# Altium PCB CM_PCB.PcbDoc (part 4 of 7)
Units mil, origin at the board's own origin, x right, y up, seen from the top; angles counter-clockwise.
Board outline 6478 x 5255 mil, 14 copper layers (Top Layer, GND1, HS1, GND2, DIFF_SE1, GND3, POWER1, POWER2, GND4, DIFF_SE2, GND5, HS2, GND6, Bottom Layer), stack 76.1 mil thick; 327 components, 386 nets, 2198 pads, 830 vias.
Unrouted connection lines stored in the file: 392.
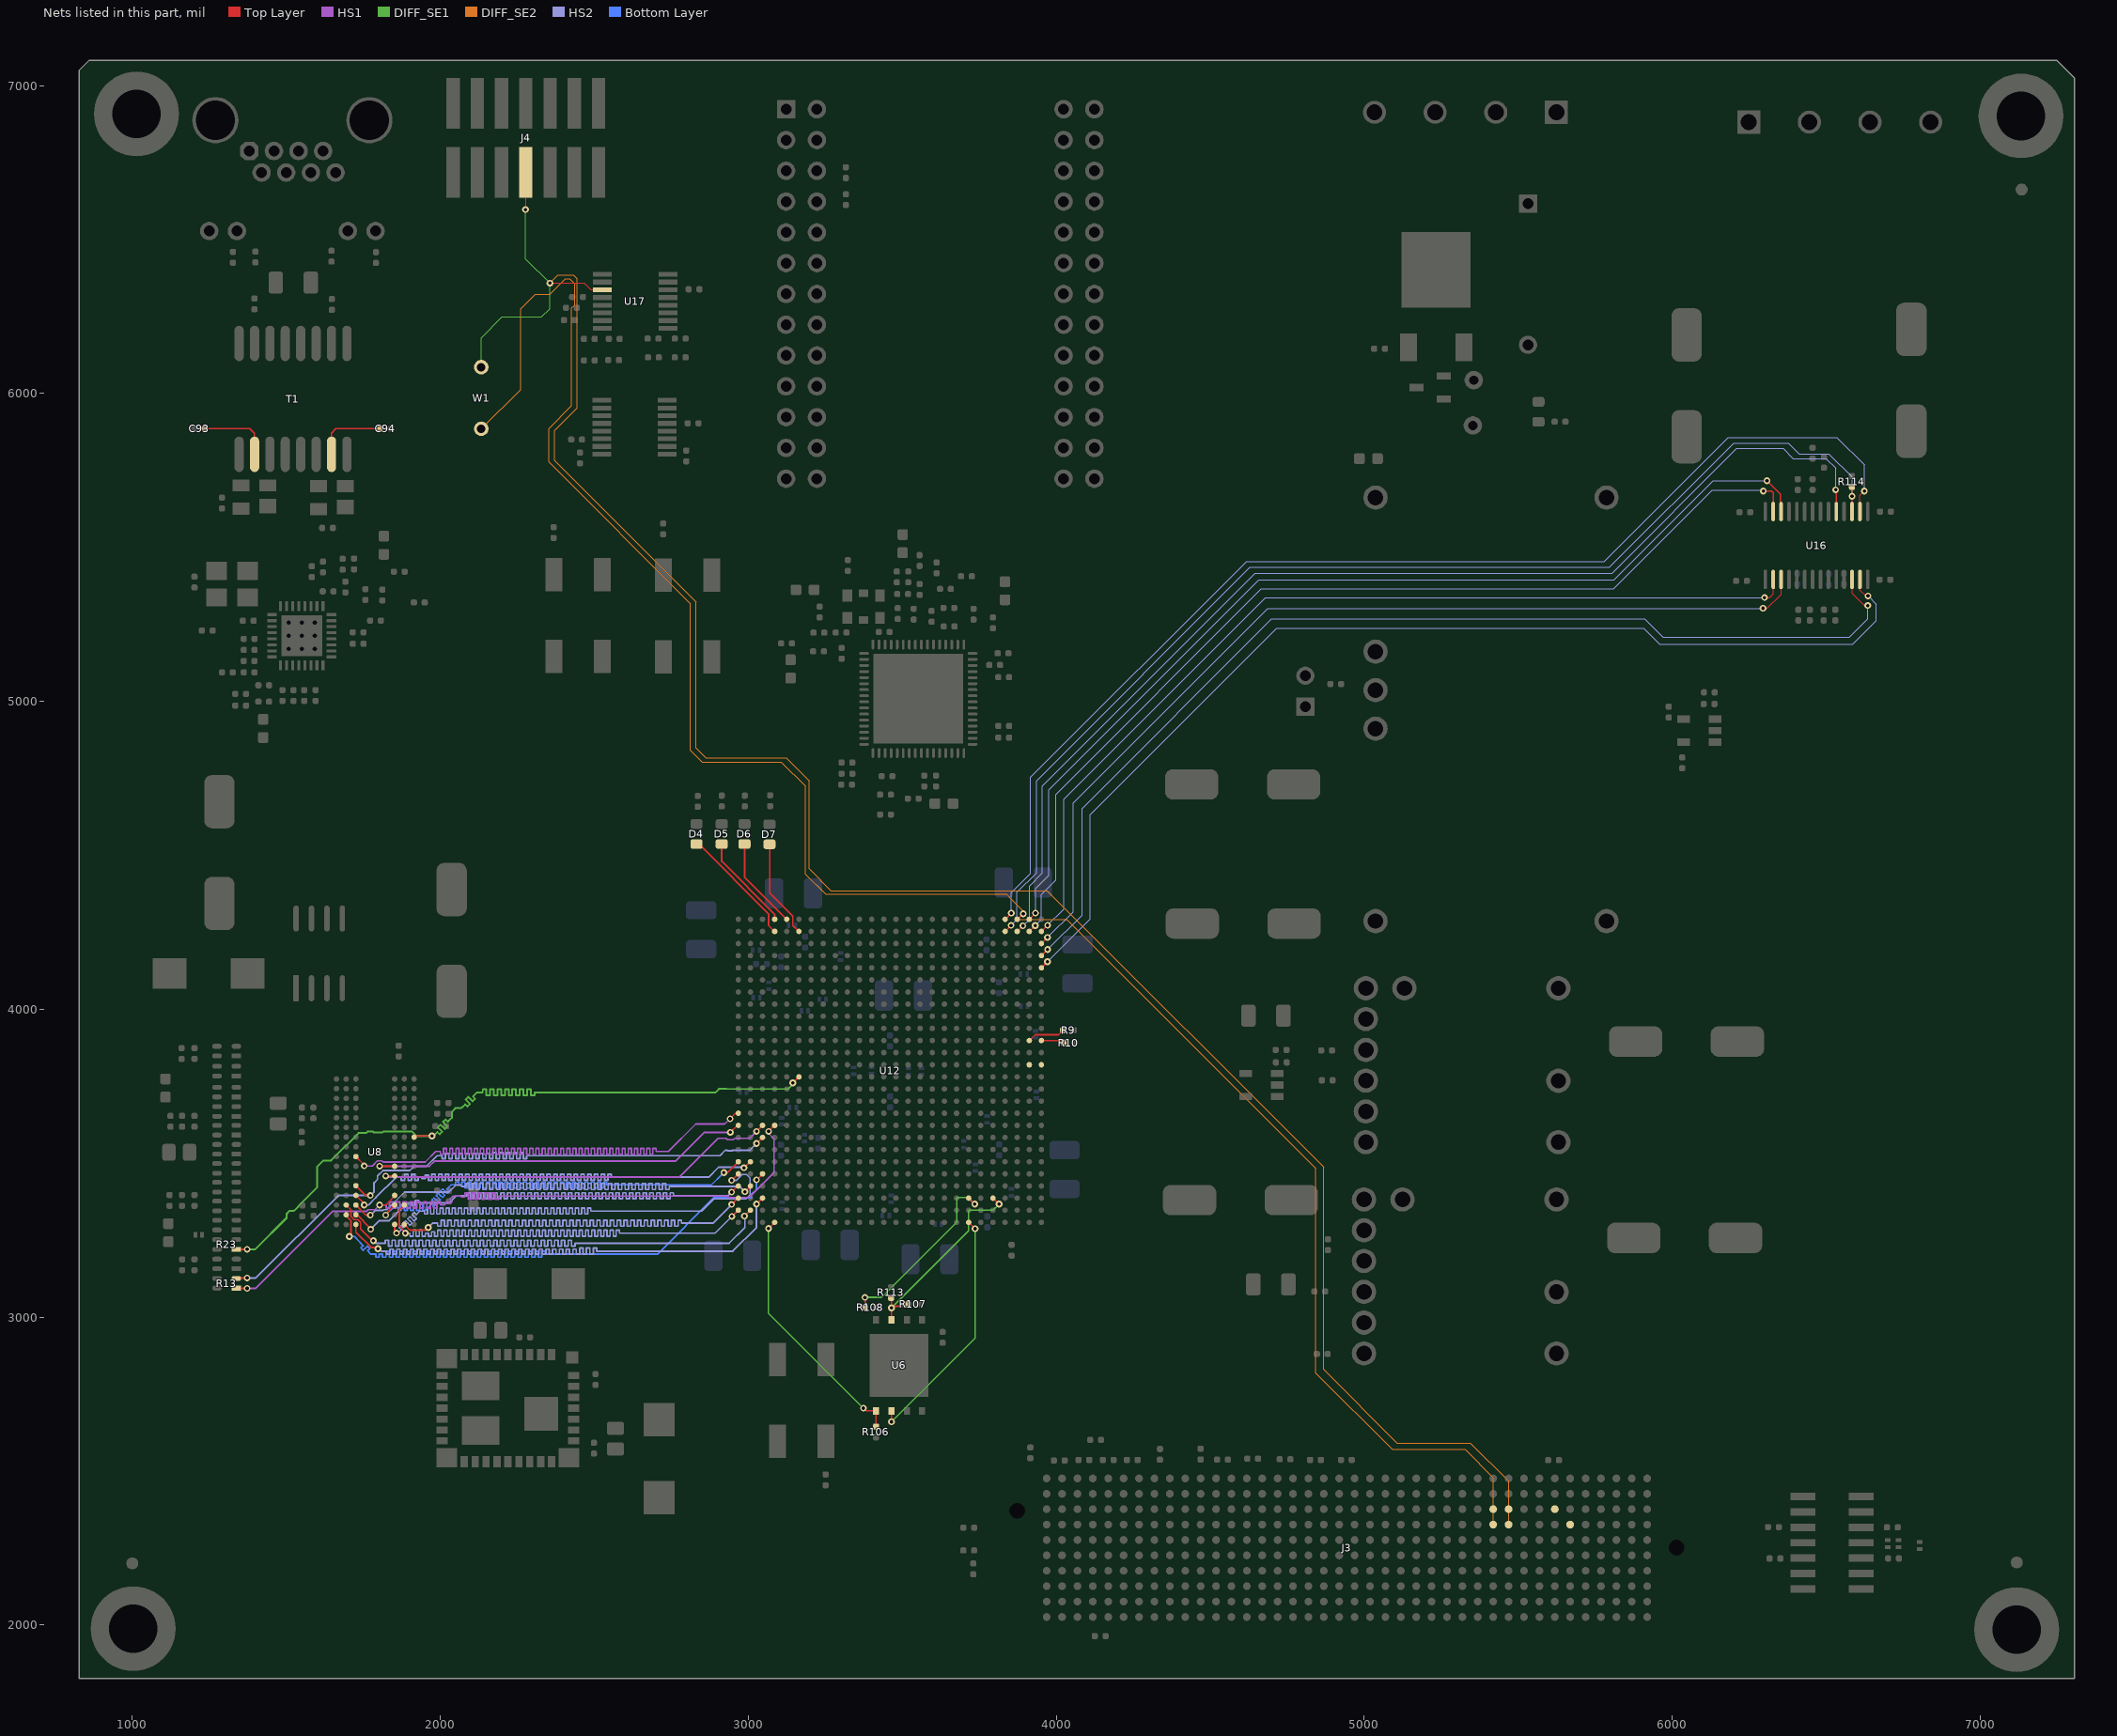
[diagram p16: the nets of this part, all layers, seen from the top]

## Via types
v1: diameter 22, hole 11, Top Layer to Bottom Layer, 627 vias
v2: diameter 22, hole 11, Top Layer to Bottom Layer, tented top, 139 vias
v3: diameter 19.68, hole 7.87, Top Layer to Bottom Layer, tented top, 27 vias
v4: diameter 19.68, hole 7.87, Top Layer to Bottom Layer, 25 vias
v5: diameter 19.68, hole 11.81, Top Layer to Bottom Layer, 12 vias

## Nets (pads, with @x,y where several pads share a name; then routed paths per layer and width w, separated by ;. In a path a pad name is that pad's centre, name@x,y a point inside that pad or via, vN(x,y) a via of type N, cw(c..) or ccw(c..) an arc to the next point about the centre after c; other vN are vias at no path point) (continued)
DDR_DQ7: U8.H7 U12.U1 | length 2693.4
  Top Layer w5: U8.H7@1726.01,3521.25 1753,3494.26 v2(1753,3491) ; v2(2941,3644) 2959,3662 U12.U1@2967.82,3662
  HS1 w5: v2(1753,3491) 1779.25,3491 1795.75,3507.5 1810.25,3507.5 1814.25,3503.5 1951.25,3503.5 1985.75,3538 1990.75,3538 2000.75,3538 2000.75,3528.26 2010.75,3528.26 2010.75,3538 2010.75,3547.74 2020.75,3547.74 2020.75,3538 2020.75,3528.26 2030.75,3528.26 2030.75,3538 2030.75,3547.74 2040.75,3547.74 2040.75,3538 2040.75,3528.26 2050.75,3528.26 2050.75,3538 2050.75,3547.74 2060.75,3547.74 2060.75,3538 2060.75,3528.26 2070.75,3528.26 2070.75,3538 2070.75,3547.74 2080.75,3547.74 2080.75,3538 2080.75,3528.26 2090.75,3528.26 2090.75,3538 2090.75,3547.74 2100.75,3547.74 2100.75,3538 2100.75,3528.26 2110.75,3528.26 2110.75,3538 2110.75,3547.74 2120.75,3547.74 2120.75,3538 2120.75,3528.26 2130.75,3528.26 2130.75,3538 2130.75,3547.74 2140.75,3547.74 2140.75,3538 2140.75,3528.26 2150.75,3528.26 2150.75,3538 2150.75,3547.74 2160.75,3547.74 2160.75,3538 2160.75,3528.26 2170.75,3528.26 2170.75,3538 2170.75,3547.74 2180.75,3547.74 2180.75,3538 2180.75,3528.26 2190.75,3528.26 2190.75,3538 2190.75,3547.74 2200.75,3547.74 2200.75,3538 2200.75,3528.26 2210.75,3528.26 2210.75,3538 2210.75,3547.74 2220.75,3547.74 2220.75,3538 2220.75,3528.26 2230.75,3528.26 2230.75,3538 2230.75,3547.74 2240.75,3547.74 2240.75,3538 2240.75,3528.26 2250.75,3528.26 2250.75,3538 2250.75,3547.74 2260.75,3547.74 2260.75,3538 2260.75,3528.26 2270.75,3528.26 2270.75,3538 2270.75,3547.74 2280.75,3547.74 2280.75,3538 2280.75,3528.26 2290.75,3528.26 2290.75,3538 2290.75,3547.74 2300.75,3547.74 2300.75,3538 2300.75,3528.26 2310.75,3528.26 2310.75,3538 2310.75,3547.74 2320.75,3547.74 2320.75,3538 2320.75,3528.26 2330.75,3528.26 2330.75,3538 2330.75,3547.74 2340.75,3547.74 2340.75,3538 2340.75,3528.26 2350.75,3528.26 2350.75,3538 2350.75,3547.74 2360.75,3547.74 2360.75,3538 2360.75,3528.26 2370.75,3528.26 2370.75,3538 2370.75,3547.74 2380.75,3547.74 2380.75,3538 2380.75,3528.26 2390.75,3528.26 2390.75,3538 2390.75,3547.74 2400.75,3547.74 2400.75,3538 2400.75,3528.26 2410.75,3528.26 2410.75,3538 2410.75,3547.74 2420.75,3547.74 2420.75,3538 2420.75,3528.26 2430.75,3528.26 2430.75,3538 2430.75,3547.74 2440.75,3547.74 2440.75,3538 2440.75,3528.26 2450.75,3528.26 2450.75,3538 2450.75,3547.74 2460.75,3547.74 2460.75,3538 2460.75,3528.26 2470.75,3528.26 2470.75,3538 2470.75,3547.74 2480.75,3547.74 2480.75,3538 2480.75,3528.26 2490.75,3528.26 2490.75,3538 2490.75,3547.74 2500.75,3547.74 2500.75,3538 2500.75,3528.26 2510.75,3528.26 2510.75,3538 2510.75,3547.74 2520.75,3547.74 2520.75,3538 2520.75,3528.26 2530.75,3528.26 2530.75,3538 2530.75,3547.74 2540.75,3547.74 2540.75,3538 2540.75,3528.26 2550.75,3528.26 2550.75,3538 2550.75,3547.74 2560.75,3547.74 2560.75,3538 2560.75,3528.26 2570.75,3528.26 2570.75,3538 2570.75,3547.74 2580.75,3547.74 2580.75,3538 2580.75,3528.26 2590.75,3528.26 2590.75,3538 2590.75,3547.74 2600.75,3547.74 2600.75,3538 2600.75,3528.26 2610.75,3528.26 2610.75,3538 2610.75,3547.74 2620.75,3547.74 2620.75,3538 2620.75,3528.26 2630.75,3528.26 2630.75,3538 2630.75,3547.74 2640.75,3547.74 2640.75,3538 2640.75,3528.26 2650.75,3528.26 2650.75,3538 2650.75,3547.74 2660.75,3547.74 2660.75,3538 2660.75,3528.26 2670.75,3528.26 2670.75,3538 2670.75,3547.74 2680.75,3547.74 2680.75,3538 2680.75,3528.26 2690.75,3528.26 2690.75,3538 2690.75,3547.74 2700.75,3547.74 2700.75,3538 2710,3538 2741,3538 2830,3627 2924,3627 v2(2941,3644)
DDR_DQ8: U8.D7 U12.AA2 | length 2541.2
  Top Layer w5.5: U8.D7@1725.74,3395 U8.D7@1726.01,3395.27 1753,3368.28 v2(1753,3364) ; v2(2986,3485) 3005.52,3504.52 U12.AA2@3007.19,3504.52
  HS2 w5.5: v2(1753,3364) 1767.1,3364 1790.75,3387.65 1790.75,3387.85 1857.15,3454.25 1862.65,3454.25 1873.65,3454.25 1873.65,3444.39 1884.65,3444.39 1884.65,3454.25 1884.65,3464.11 1895.65,3464.11 1895.65,3454.25 1895.65,3444.39 1906.65,3444.39 1906.65,3454.25 1906.65,3464.11 1917.65,3464.11 1917.65,3454.25 1917.65,3444.39 1928.65,3444.39 1928.65,3454.25 1939.65,3454.25 1939.65,3449.89 1950.65,3449.89 1950.65,3454.25 1950.65,3460.51 1961.65,3460.51 1961.65,3454.25 1961.65,3444.39 1972.65,3444.39 1972.65,3454.25 1972.65,3464.11 1983.65,3464.11 1983.65,3454.25 1983.65,3444.39 1994.65,3444.39 1994.65,3454.25 1994.65,3464.11 2005.65,3464.11 2005.65,3454.25 2005.65,3444.39 2016.65,3444.39 2016.65,3454.25 2016.65,3464.11 2027.65,3464.11 2027.65,3454.25 2027.65,3444.39 2038.65,3444.39 2038.65,3454.25 2038.65,3464.11 2049.65,3464.11 2049.65,3454.25 2049.65,3444.39 2060.65,3444.39 2060.65,3454.25 2060.65,3464.11 2071.65,3464.11 2071.65,3454.25 2071.65,3444.39 2082.65,3444.39 2082.65,3454.25 2082.65,3464.11 2093.65,3464.11 2093.65,3454.25 2093.65,3444.39 2104.65,3444.39 2104.65,3454.25 2104.65,3464.11 2115.65,3464.11 2115.65,3454.25 2115.65,3444.39 2126.65,3444.39 2126.65,3454.25 2126.65,3464.11 2137.65,3464.11 2137.65,3454.25 2137.65,3444.39 2148.65,3444.39 2148.65,3454.25 2148.65,3464.11 2159.65,3464.11 2159.65,3454.25 2159.65,3444.39 2170.65,3444.39 2170.65,3454.25 2170.65,3464.11 2181.65,3464.11 2181.65,3454.25 2181.65,3444.39 2192.65,3444.39 2192.65,3454.25 2192.65,3464.11 2203.65,3464.11 2203.65,3454.25 2203.65,3444.39 2214.65,3444.39 2214.65,3454.25 2214.65,3464.11 2225.65,3464.11 2225.65,3454.25 2225.65,3444.39 2236.65,3444.39 2236.65,3454.25 2236.65,3464.11 2247.65,3464.11 2247.65,3454.25 2247.65,3444.39 2258.65,3444.39 2258.65,3454.25 2258.65,3464.11 2269.65,3464.11 2269.65,3454.25 2269.65,3444.39 2280.65,3444.39 2280.65,3454.25 2280.65,3464.11 2291.65,3464.11 2291.65,3454.25 2291.65,3444.39 2302.65,3444.39 2302.65,3454.25 2302.65,3464.11 2313.65,3464.11 2313.65,3454.25 2313.65,3444.39 2324.65,3444.39 2324.65,3454.25 2324.65,3464.11 2335.65,3464.11 2335.65,3454.25 2335.65,3444.39 2346.65,3444.39 2346.65,3454.25 2346.65,3464.11 2357.65,3464.11 2357.65,3454.25 2357.65,3444.39 2368.65,3444.39 2368.65,3454.25 2368.65,3464.11 2379.65,3464.11 2379.65,3454.25 2379.65,3444.39 2390.65,3444.39 2390.65,3454.25 2390.65,3464.11 2401.65,3464.11 2401.65,3454.25 2401.65,3444.39 2412.65,3444.39 2412.65,3454.25 2412.65,3464.11 2423.65,3464.11 2423.65,3454.25 2423.65,3444.39 2434.65,3444.39 2434.65,3454.25 2434.65,3464.11 2445.65,3464.11 2445.65,3454.25 2445.65,3444.39 2456.65,3444.39 2456.65,3454.25 2456.65,3464.11 2467.65,3464.11 2467.65,3454.25 2467.65,3444.39 2478.65,3444.39 2478.65,3454.25 2478.65,3464.11 2489.65,3464.11 2489.65,3454.25 2489.65,3444.39 2500.65,3444.39 2500.65,3454.25 2500.65,3464.11 2511.65,3464.11 2511.65,3454.25 2511.65,3444.39 2522.65,3444.39 2522.65,3454.25 2522.65,3464.11 2533.65,3464.11 2533.65,3454.25 2533.65,3444.39 2544.65,3444.39 2544.65,3454.25 2544.65,3464.11 2555.65,3464.11 2555.65,3454.25 2701,3454.25 2871.25,3454.25 2903.75,3486.75 2984.25,3486.75 v2(2986,3485)
DDR_DQ9: U8.C3 U12.AA1 | length 2506.1
  Top Layer w5.5: v2@1822,3331 1822,3333.78 U8.C3@1851.99,3363.77 ; v2(2921,3469) 2923.3,3466.7 2930,3466.7 U12.AA1@2967.82,3504.52
  Bottom Layer w5: v2(1823,3331) 1848,3356 1853,3356 1863,3356 1863,3346.24 1873,3346.24 1873,3356 1873,3365.76 1883,3365.76 1883,3356 1883,3346.24 1893,3346.24 1893,3356 1893,3365.76 1903,3365.76 1903,3356 1903,3346.24 1913,3346.24 1913,3356 1913,3365.76 1923,3365.76 1923,3356 1923,3346.24 1933,3346.24 1933,3356 1933,3365.76 1943,3365.76 1943,3356 1943,3346.24 1953,3346.24 1953,3356 1962,3356 1965.54,3359.54 1972.61,3366.61 1979.51,3359.71 1986.58,3366.78 1979.68,3373.68 1972.78,3380.58 1979.85,3387.65 1986.75,3380.75 1993.65,3373.85 2000.72,3380.92 1993.82,3387.82 1986.92,3394.72 1993.99,3401.79 2000.89,3394.89 2007.79,3387.99 2014.86,3395.06 2007.96,3401.96 2001.06,3408.86 2008.13,3415.93 2015.03,3409.03 2021.93,3402.13 2029,3409.2 2022.1,3416.1 2029.18,3423.18 2035,3429 2040,3429 2050,3429 2050,3438.76 2060,3438.76 2060,3429 2070,3429 2070,3438.76 2080,3438.76 2080,3429 2080,3419.24 2090,3419.24 2090,3429 2090,3438.76 2100,3438.76 2100,3429 2100,3419.24 2110,3419.24 2110,3429 2110,3438.76 2120,3438.76 2120,3429 2120,3419.24 2130,3419.24 2130,3429 2130,3438.76 2140,3438.76 2140,3429 2140,3419.24 2150,3419.24 2150,3429 2150,3438.76 2160,3438.76 2160,3429 2160,3419.24 2170,3419.24 2170,3429 2170,3438.76 2180,3438.76 2180,3429 2180,3419.24 2190,3419.24 2190,3429 2190,3438.76 2200,3438.76 2200,3429 2200,3419.24 2210,3419.24 2210,3429 2210,3438.76 2220,3438.76 2220,3429 2220,3419.24 2230,3419.24 2230,3429 2230,3438.76 2240,3438.76 2240,3429 2240,3419.24 2250,3419.24 2250,3429 2250,3438.76 2260,3438.76 2260,3429 2260,3419.24 2270,3419.24 2270,3429 2270,3438.76 2280,3438.76 2280,3429 2280,3419.24 2290,3419.24 2290,3429 2290,3438.76 2300,3438.76 2300,3429 2300,3419.24 2310,3419.24 2310,3429 2310,3438.76 2320,3438.76 2320,3429 2320,3419.24 2330,3419.24 2330,3429 2330,3438.76 2340,3438.76 2340,3429 2340,3419.24 2350,3419.24 2350,3429 2350,3438.76 2360,3438.76 2360,3429 2360,3419.24 2370,3419.24 2370,3429 2370,3438.76 2380,3438.76 2380,3429 2380,3419.24 2390,3419.24 2390,3429 2390,3438.76 2400,3438.76 2400,3429 2400,3419.24 2410,3419.24 2410,3429 2410,3438.76 2420,3438.76 2420,3429 2420,3419.24 2430,3419.24 2430,3429 2430,3438.76 2440,3438.76 2440,3429 2440,3419.24 2450,3419.24 2450,3429 2450,3438.76 2460,3438.76 2460,3429 2460,3419.24 2470,3419.24 2470,3429 2470,3438.76 2480,3438.76 2480,3429 2480,3419.24 2490,3419.24 2490,3429 2490,3438.76 2500,3438.76 2500,3429 2500,3419.24 2510,3419.24 2510,3429 2510,3438.76 2520,3438.76 2520,3429 2520,3419.24 2530,3419.24 2530,3429 2530,3438.76 2540,3438.76 2540,3429 2715,3429 2880,3429 v2@2916,3465
DDR_DQ10: U8.C8 U12.AE2 | length 2538.4
  Top Layer w5.5: U8.C8@1694.51,3363.77 1710.4,3347.88 1710.4,3325.81 1719.82,3316.39 1732.47,3316.39 1741.62,3307.24 1741.62,3286.38 v2@1781.5,3246.5 ; v2(2988,3328) 3007.04,3347.04 U12.AE2@3007.19,3347.04
  HS2 w5.5: v2(1783,3248) 1791,3240 1816,3240 1821.5,3240 1821.5,3249.67 1832.5,3249.67 1832.5,3240 1832.5,3230.33 1843.5,3230.33 1843.5,3240 1843.5,3249.67 1854.5,3249.67 1854.5,3240 1854.5,3230.33 1865.5,3230.33 1865.5,3240 1865.5,3249.67 1876.5,3249.67 1876.5,3240 1876.5,3230.33 1887.5,3230.33 1887.5,3240 1887.5,3249.67 1898.5,3249.67 1898.5,3240 1898.5,3230.33 1909.5,3230.33 1909.5,3240 1909.5,3249.67 1920.5,3249.67 1920.5,3240 1920.5,3230.33 1931.5,3230.33 1931.5,3240 1931.5,3249.67 1942.5,3249.67 1942.5,3240 1942.5,3230.33 1953.5,3230.33 1953.5,3240 1953.5,3249.67 1964.5,3249.67 1964.5,3240 1964.5,3230.33 1975.5,3230.33 1975.5,3240 1975.5,3249.67 1986.5,3249.67 1986.5,3240 1986.5,3230.33 1997.5,3230.33 1997.5,3240 1997.5,3249.67 2008.5,3249.67 2008.5,3240 2008.5,3230.33 2019.5,3230.33 2019.5,3240 2019.5,3249.67 2030.5,3249.67 2030.5,3240 2030.5,3230.33 2041.5,3230.33 2041.5,3240 2041.5,3249.67 2052.5,3249.67 2052.5,3240 2052.5,3230.33 2063.5,3230.33 2063.5,3240 2063.5,3249.67 2074.5,3249.67 2074.5,3240 2074.5,3230.33 2085.5,3230.33 2085.5,3240 2085.5,3249.67 2096.5,3249.67 2096.5,3240 2096.5,3230.33 2107.5,3230.33 2107.5,3240 2107.5,3249.67 2118.5,3249.67 2118.5,3240 2118.5,3230.33 2129.5,3230.33 2129.5,3240 2129.5,3249.67 2140.5,3249.67 2140.5,3240 2140.5,3230.33 2151.5,3230.33 2151.5,3240 2151.5,3249.67 2162.5,3249.67 2162.5,3240 2162.5,3230.33 2173.5,3230.33 2173.5,3240 2173.5,3249.67 2184.5,3249.67 2184.5,3240 2184.5,3230.33 2195.5,3230.33 2195.5,3240 2195.5,3249.67 2206.5,3249.67 2206.5,3240 2206.5,3230.33 2217.5,3230.33 2217.5,3240 2217.5,3249.67 2228.5,3249.67 2228.5,3240 2228.5,3230.33 2239.5,3230.33 2239.5,3240 2239.5,3249.67 2250.5,3249.67 2250.5,3240 2250.5,3230.33 2261.5,3230.33 2261.5,3240 2261.5,3249.67 2272.5,3249.67 2272.5,3240 2272.5,3230.33 2283.5,3230.33 2283.5,3240 2283.5,3249.67 2294.5,3249.67 2294.5,3240 2294.5,3230.33 2305.5,3230.33 2305.5,3240 2305.5,3249.67 2316.5,3249.67 2316.5,3240 2316.5,3230.33 2327.5,3230.33 2327.5,3240 2327.5,3249.67 2338.5,3249.67 2338.5,3240 2338.5,3230.33 2349.5,3230.33 2349.5,3240 2349.5,3249.67 2360.5,3249.67 2360.5,3240 2360.5,3230.33 2371.5,3230.33 2371.5,3240 2371.5,3249.67 2382.5,3249.67 2382.5,3240 2382.5,3230.33 2393.5,3230.33 2393.5,3240 2393.5,3249.67 2404.5,3249.67 2404.5,3240 2404.5,3230.33 2415.5,3230.33 2415.5,3240 2415.5,3249.67 2426.5,3249.67 2426.5,3240 2426.5,3230.33 2437.5,3230.33 2437.5,3240 2597,3240 2938,3240 2989,3291 2989,3327 v2(2988,3328)
DDR_DQ11: U8.C2 U12.AE1 | length 2543.5
  Top Layer w5.5: U8.C2@1883.49,3363.77 1867.6,3347.88 1867.6,3294.59 1889.69,3272.5 v2(1886.67,3272.5) ; v2(2947,3327) 2947.78,3327 U12.AE1@2967.82,3347.04
  HS2 w5: v2(1886.67,3272.5) 1891.67,3272.5 1901.67,3272.5 1901.67,3262.56 1911.67,3262.56 1911.67,3272.5 1911.67,3282.44 1921.67,3282.44 1921.67,3272.5 1921.67,3262.56 1931.67,3262.56 1931.67,3272.5 1931.67,3282.44 1941.67,3282.44 1941.67,3272.5 1941.67,3262.56 1951.67,3262.56 1951.67,3272.5 1961.67,3272.5 1961.67,3262.56 1971.67,3262.56 1971.67,3272.5 1971.67,3277.07 1981.67,3277.07 1981.67,3272.5 1981.67,3262.56 1991.67,3262.56 1991.67,3272.5 1991.67,3282.44 2001.67,3282.44 2001.67,3272.5 2001.67,3262.56 2011.67,3262.56 2011.67,3272.5 2011.67,3282.44 2021.67,3282.44 2021.67,3272.5 2021.67,3262.56 2031.67,3262.56 2031.67,3272.5 2031.67,3282.44 2041.67,3282.44 2041.67,3272.5 2041.67,3262.56 2051.67,3262.56 2051.67,3272.5 2051.67,3282.44 2061.67,3282.44 2061.67,3272.5 2061.67,3262.56 2071.67,3262.56 2071.67,3272.5 2071.67,3282.44 2081.67,3282.44 2081.67,3272.5 2081.67,3262.56 2091.67,3262.56 2091.67,3272.5 2091.67,3282.44 2101.67,3282.44 2101.67,3272.5 2101.67,3262.56 2111.67,3262.56 2111.67,3272.5 2111.67,3282.44 2121.67,3282.44 2121.67,3272.5 2121.67,3262.56 2131.67,3262.56 2131.67,3272.5 2131.67,3282.44 2141.67,3282.44 2141.67,3272.5 2141.67,3262.56 2151.67,3262.56 2151.67,3272.5 2151.67,3282.44 2161.67,3282.44 2161.67,3272.5 2161.67,3262.56 2171.67,3262.56 2171.67,3272.5 2171.67,3282.44 2181.67,3282.44 2181.67,3272.5 2181.67,3262.56 2191.67,3262.56 2191.67,3272.5 2191.67,3282.44 2201.67,3282.44 2201.67,3272.5 2201.67,3262.56 2211.67,3262.56 2211.67,3272.5 2211.67,3282.44 2221.67,3282.44 2221.67,3272.5 2221.67,3262.56 2231.67,3262.56 2231.67,3272.5 2231.67,3282.44 2241.67,3282.44 2241.67,3272.5 2241.67,3262.56 2251.67,3262.56 2251.67,3272.5 2251.67,3282.44 2261.67,3282.44 2261.67,3272.5 2261.67,3262.56 2271.67,3262.56 2271.67,3272.5 2271.67,3282.44 2281.67,3282.44 2281.67,3272.5 2281.67,3262.56 2291.67,3262.56 2291.67,3272.5 2291.67,3282.44 2301.67,3282.44 2301.67,3272.5 2301.67,3262.56 2311.67,3262.56 2311.67,3272.5 2311.67,3282.44 2321.67,3282.44 2321.67,3272.5 2321.67,3262.56 2331.67,3262.56 2331.67,3272.5 2331.67,3282.44 2341.67,3282.44 2341.67,3272.5 2341.67,3262.56 2351.67,3262.56 2351.67,3272.5 2351.67,3282.44 2361.67,3282.44 2361.67,3272.5 2361.67,3262.56 2371.67,3262.56 2371.67,3272.5 2371.67,3282.44 2381.67,3282.44 2381.67,3272.5 2381.67,3262.56 2391.67,3262.56 2391.67,3272.5 2391.67,3282.44 2401.67,3282.44 2401.67,3272.5 2401.67,3262.56 2411.67,3262.56 2411.67,3272.5 2411.67,3282.44 2421.67,3282.44 2421.67,3272.5 2421.67,3262.56 2431.67,3262.56 2431.67,3272.5 2431.67,3282.44 2441.67,3282.44 2441.67,3272.5 2441.67,3262.56 2451.67,3262.56 2451.67,3272.5 2451.67,3282.44 2461.67,3282.44 2461.67,3272.5 2461.67,3262.56 2471.67,3262.56 2471.67,3272.5 2471.67,3282.44 2481.67,3282.44 2481.67,3272.5 2481.67,3262.56 2491.67,3262.56 2491.67,3272.5 2491.67,3282.44 2501.67,3282.44 2501.67,3272.5 2501.67,3262.56 2511.67,3262.56 2511.67,3272.5 2511.67,3282.44 2521.67,3282.44 2521.67,3272.5 2521.67,3262.56 2531.67,3262.56 2531.67,3272.5 2531.67,3282.44 2541.67,3282.44 2541.67,3272.5 2541.67,3262.56 2551.67,3262.56 2551.67,3272.5 2551.67,3282.44 2561.67,3282.44 2561.67,3272.5 2561.67,3262.56 2571.67,3262.56 2571.67,3272.5 2571.67,3282.44 2581.67,3282.44 2581.67,3272.5 2709,3272.5 2892.5,3272.5 v2(2947,3327)
DDR_DQ12: U8.A7 U12.AD3 | length 2540.7
  Top Layer w4: v1(3026.87,3366.72) U12.AD3@3046.56,3386.41
  Top Layer w5.5: U8.A7@1726.01,3300.78 1726.01,3275.99 1776,3226 1797.27,3226 1798,3225.27 v2(1798,3222)
  HS2 w5.5: v2(1798,3222) 1801.27,3222 1809.27,3214 1814.77,3214 1825.77,3214 1825.77,3204.09 1836.77,3204.09 1836.77,3214 1836.77,3220.75 1847.77,3220.75 1847.77,3214 1847.77,3204.09 1858.77,3204.09 1858.77,3214 1858.77,3220.75 1869.77,3220.75 1869.77,3214 1869.77,3204.09 1880.77,3204.09 1880.77,3214 1880.77,3220.75 1891.77,3220.75 1891.77,3214 1891.77,3204.09 1902.77,3204.09 1902.77,3214 1902.77,3220.75 1913.77,3220.75 1913.77,3214 1913.77,3204.09 1924.77,3204.09 1924.77,3214 1924.77,3220.75 1935.77,3220.75 1935.77,3214 1935.77,3204.09 1946.77,3204.09 1946.77,3214 1946.77,3220.75 1957.77,3220.75 1957.77,3214 1957.77,3204.09 1968.77,3204.09 1968.77,3214 1968.77,3220.75 1979.77,3220.75 1979.77,3214 1979.77,3204.09 1990.77,3204.09 1990.77,3214 1990.77,3220.75 2001.77,3220.75 2001.77,3214 2001.77,3204.09 2012.77,3204.09 2012.77,3214 2012.77,3220.75 2023.77,3220.75 2023.77,3214 2023.77,3204.09 2034.77,3204.09 2034.77,3214 2034.77,3220.75 2045.77,3220.75 2045.77,3214 2045.77,3204.09 2056.77,3204.09 2056.77,3214 2056.77,3220.75 2067.77,3220.75 2067.77,3214 2067.77,3204.09 2078.77,3204.09 2078.77,3214 2078.77,3220.75 2089.77,3220.75 2089.77,3214 2089.77,3204.09 2100.77,3204.09 2100.77,3214 2100.77,3220.75 2111.77,3220.75 2111.77,3214 2111.77,3204.09 2122.77,3204.09 2122.77,3214 2122.77,3220.75 2133.77,3220.75 2133.77,3214 2133.77,3204.09 2144.77,3204.09 2144.77,3214 2144.77,3220.75 2155.77,3220.75 2155.77,3214 2155.77,3204.09 2166.77,3204.09 2166.77,3214 2166.77,3220.75 2177.77,3220.75 2177.77,3214 2177.77,3204.09 2188.77,3204.09 2188.77,3214 2188.77,3220.75 2199.77,3220.75 2199.77,3214 2199.77,3204.09 2210.77,3204.09 2210.77,3214 2210.77,3220.75 2221.77,3220.75 2221.77,3214 2221.77,3204.09 2232.77,3204.09 2232.77,3214 2232.77,3220.75 2243.77,3220.75 2243.77,3214 2243.77,3204.09 2254.77,3204.09 2254.77,3214 2254.77,3220.75 2265.77,3220.75 2265.77,3214 2265.77,3204.09 2276.77,3204.09 2276.77,3214 2276.77,3220.75 2287.77,3220.75 2287.77,3214 2287.77,3204.09 2298.77,3204.09 2298.77,3214 2298.77,3220.75 2309.77,3220.75 2309.77,3214 2309.77,3204.09 2320.77,3204.09 2320.77,3214 2320.77,3220.75 2331.77,3220.75 2331.77,3214 2331.77,3204.09 2342.77,3204.09 2342.77,3214 2342.77,3220.75 2353.77,3220.75 2353.77,3214 2353.77,3204.09 2364.77,3204.09 2364.77,3214 2364.77,3220.75 2375.77,3220.75 2375.77,3214 2375.77,3204.09 2386.77,3204.09 2386.77,3214 2386.77,3220.75 2397.77,3220.75 2397.77,3214 2397.77,3204.09 2408.77,3204.09 2408.77,3214 2408.77,3220.75 2419.77,3220.75 2419.77,3214 2419.77,3204.09 2430.77,3204.09 2430.77,3214 2430.77,3220.75 2441.77,3220.75 2441.77,3214 2441.77,3204.09 2452.77,3204.09 2452.77,3214 2452.77,3223.91 2463.77,3223.91 2463.77,3214 2463.77,3204.09 2474.77,3204.09 2474.77,3214 2474.77,3223.91 2485.77,3223.91 2485.77,3214 2485.77,3204.09 2496.77,3204.09 2496.77,3214 2496.77,3223.91 2507.77,3223.91 2507.77,3214 2590,3214 2950,3214 3026.87,3290.87 v1(3026.87,3366.72)